# Allegro board MCU067B.brd (continued)
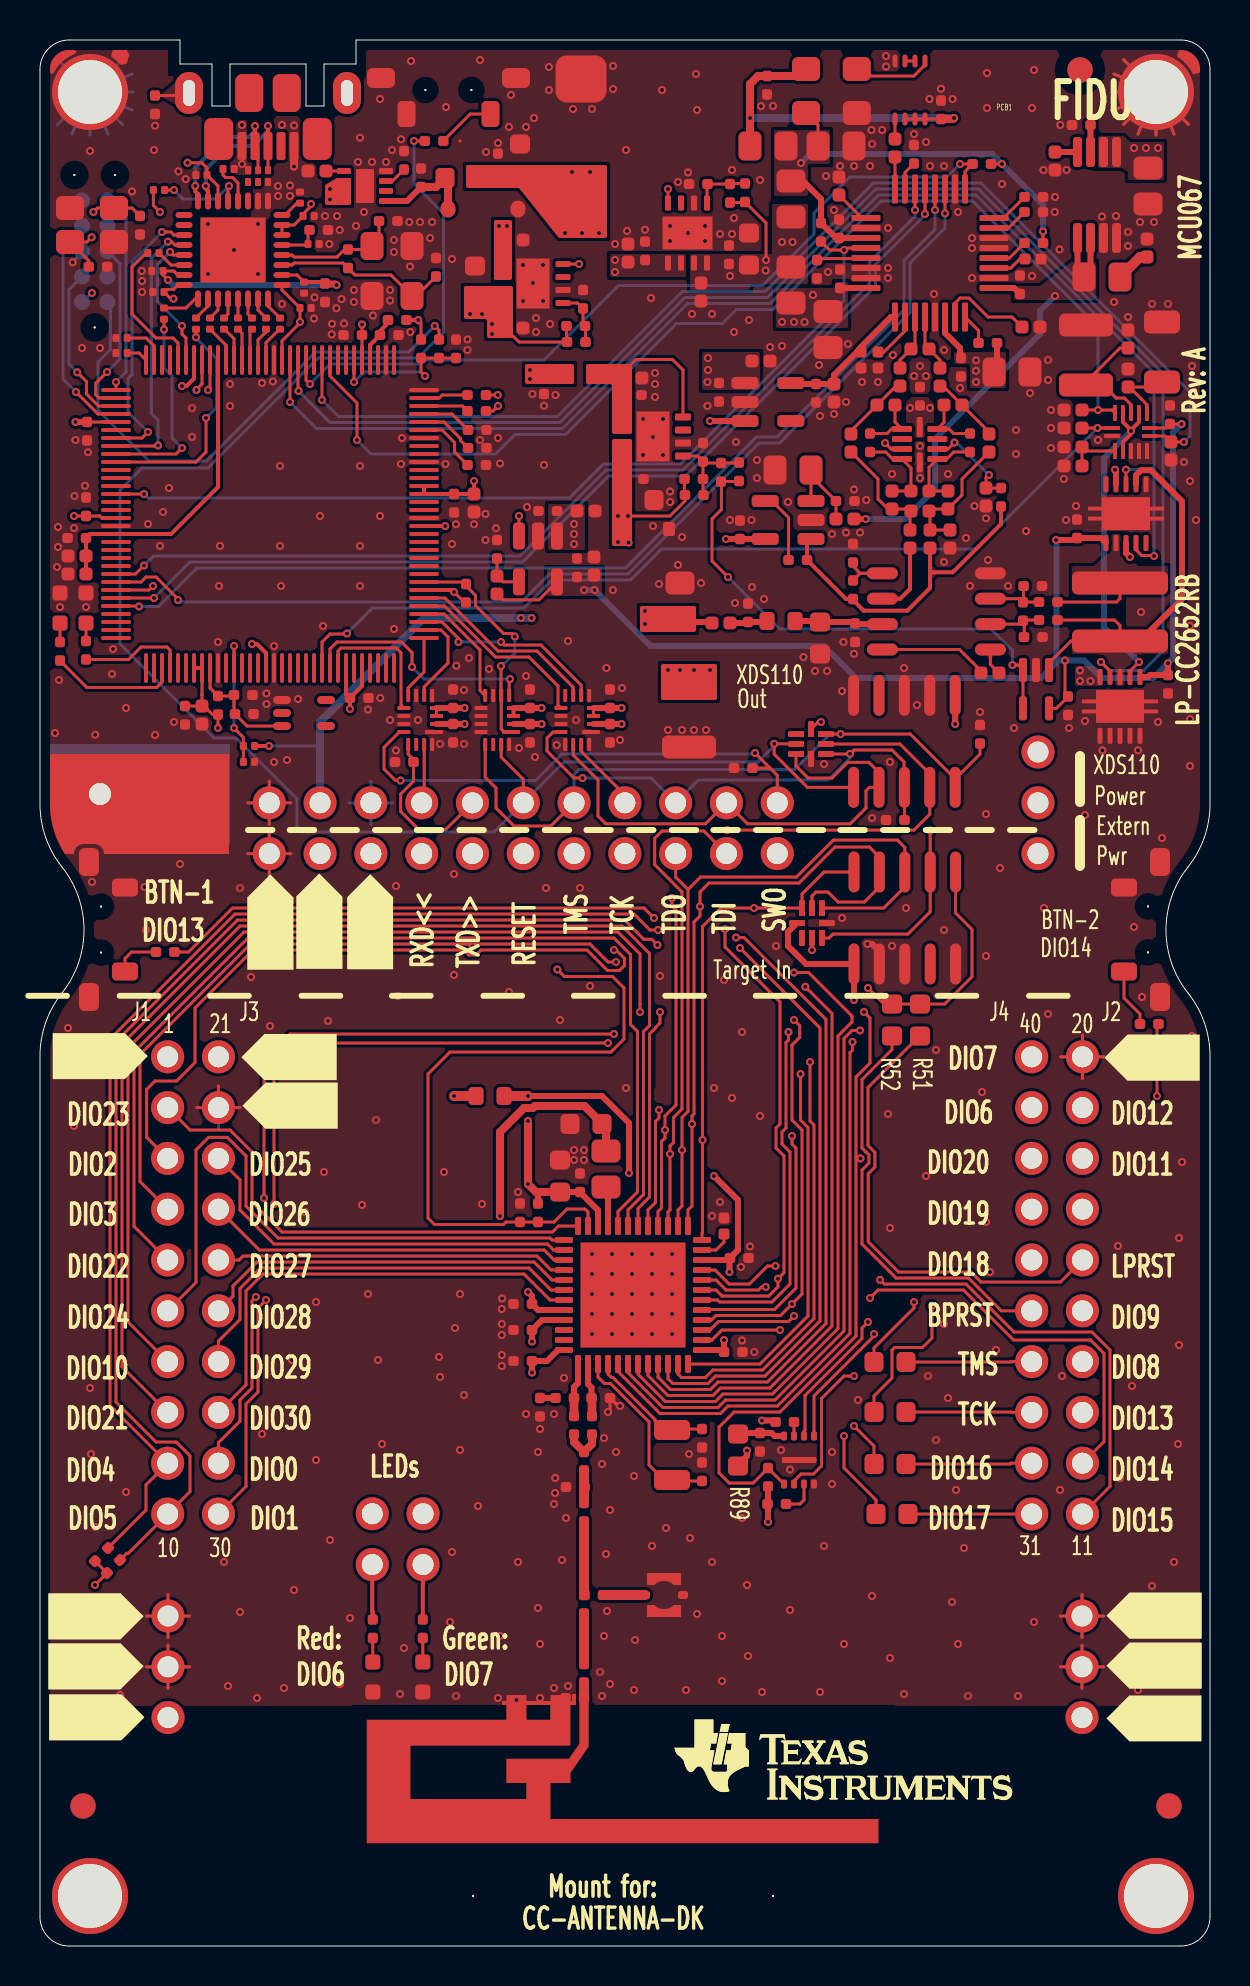
[diagram p0: board, top side]
## Routing (per net, layer and track width the routed paths; a pad name or vN(x,y) marks a point on that pad's centre or on a via; arc(x,y) is an arc through that point) (continued)
  L3 w0.5: 16.7,43.2 16.54,43.36 P4.18 ; 16.7,43.2 18.19,43.2 18.89,42.5 v1(20.7,42.5) 25.5,47.3 v1(40.7,47.3) 46.1,47.3 ; 16.7,43.2 7.64,43.2 J1.1 1.9,39.98 1.9,18.9 v1(2.75,18.05) ; 46.1,47.3 48.5,49.7 48.5,53.22 P10.3 ; 46.1,47.3 51.9,47.3 57.75,41.45 57.75,17.07 P1.1
XDS_RESET: length 11.5
  TOP w0.15: U5.40 21.2,68.2 R58.1 21.3,68.01 21.78,67.53 21.78,67.02 23.17,65.63 23.59,65.63 v1(23.74,65.48) ; U10.1 23.21,60.7 23.06,60.85 U10.6 23.05,62.54 v1(23.05,64)
  BOTTOM w0.15: v1(23.05,64) 23.1,64 23.74,64.64 v1(23.74,65.48)
XDS_RESET_LS: length 86.8
  TOP w0.15: R57.2 v1(18.7,90.25) ; P4.11 24.16,58.34 23.06,59.44 U10.15 ; 40.68,57.93 38.37,57.93 36.71,59.59 v1(36.71,60.11) 37.79,60.11 CR7.2
  BOTTOM w0.15: v1(18.7,90.25) 18.7,88.1 20.18,86.62 20.18,80.68 18.9,79.4 13.9,79.4 8.4,73.9 5.1,73.9 4,72.8 4,65.1 8.7,60.4 9.8,60.4 12.84,57.36 12.84,55.96 13.1,55.7 22.7,55.7 P4.11 26.2,59.2 35.9,59.2 36.71,60 v1(36.71,60.11)
XDS_RX: length 3.2
  TOP w0.15: U5.33 19.2,63.7 18.41,62.91 U8.8
XDS_RX_LS: length 8.2
  TOP w0.15: P4.13 20.29,55.83 18.93,55.83 18.03,56.73 18.03,57.6 18.67,58.24 R61.2 18.67,59.33 18.41,59.59 U8.13
XDS_SWO: length 7
  TOP w0.15: U8.9 18.05,62.05 18.05,64.66 17.81,64.9 15.05,64.9 14.9,64.75 U5.25
XDS_SWO_LS: length 25.6
  TOP w0.15: R62.2 36.5,58.9 ; 36.5,58.9 v1(35.75,59.65) ; 36.5,58.9 36.86,58.54 P4.1 ; U8.12 17.97,60.7 17.2,59.93 17.2,58.85 17.78,58.27 v1(18.03,58.27)
  BOTTOM w0.15: v1(35.75,59.65) 35.7,59.6 26.1,59.6 24.78,58.27 v1(18.03,58.27)
XDS_TCK: length 9.8
  TOP w0.15: U9.6 27.06,63.04 25.05,65.05 23.2,65.05 v1(23.05,65.2) ; v1(20.92,65.2) 20.92,65.38 20.1,66.2 U5.35
  BOTTOM w0.15: v1(20.92,65.2) v1(23.05,65.2)
XDS_TCK_LS: length 27.8
  TOP w0.15: U9.15 27.06,59.73 29.24,57.55 P4.7 ; v1(34.35,55.79) 43.7,55.79 44.49,56.59 P7.4 44.49,58.61 43,60.1 CR7.6
  L3 w0.15: P4.7 30.61,55.79 v1(34.35,55.79)
XDS_TDI: length 9.7
  TOP w0.15: U5.38 20.25,67.4 22.9,64.75 24.85,64.75 26.66,62.94 U9.7
XDS_TDI_LS: length 26.7
  TOP w0.15: CR7.3 37.8,59 38.4,58.4 39.6,58.4 40.38,59.18 41.45,59.18 41.95,58.68 P7.8 41.47,57.93 41.3,57.76 41.3,56.9 40.51,56.11 35.37,56.11 P4.3 33.27,56.11 28.29,56.11 27.9,56.5 27.9,58.3 27.62,58.57 26.66,59.54 U9.14
XDS_TDO: length 9.5
  TOP w0.15: 26.04,61.9 25.9,62.05 25.9,63 24.45,64.45 22.78,64.45 20.22,67 U5.37
XDS_TDO_LS: length 26
  TOP w0.15: v1(27.13,58.4) 26.7,58.4 25.35,59.75 25.35,60.39 25.66,60.7 26.04,60.7 ; CR7.5 40.49,59.6 v1(40.5,59.61) 40.51,59.61 40.7,59.8 42.6,59.8 43.2,59.2 43.2,57.95 P7.6 43.22,57.93 R63.2
  BOTTOM w0.15: v1(40.5,59.61) 40.5,59.4 39.4,58.3 32.92,58.3 P4.5 30.54,58.4 v1(27.13,58.4)
XDS_TMS: length 5.9
  TOP w0.15: U5.36 20.2,66.6 22,64.8 22,62.79 U10.8
XDS_TMS_DIR: length 12.1
  TOP w0.15: v1(18.6,63.95) 18.6,64.68 18.07,65.2 14.85,65.2 14.5,64.85 U5.24 ; v1(23.5,63.35) 23.46,63.31 U10.5
  BOTTOM w0.15: v1(23.5,63.35) 19.2,63.35 v1(18.6,63.95)
XDS_TMS_LS: length 33.8
  TOP w0.15: 45.76,58.35 47,59.6 R65.2 ; 45.76,58.35 P7.2 ; 45.76,58.35 43.51,60.6 v1(40.03,60.6) CR7.7 ; U10.13 22.26,58.44 22.8,57.9 22.8,56.9 23.7,56 25.54,56 P4.9
  BOTTOM w0.15: P4.9 26.7,58.57 26.95,58.82 37.72,58.82 39.5,60.6 v1(40.03,60.6)
XDS_TX: length 4.8
  TOP w0.15: U8.6 19.21,62.96 20.4,64.15 20.4,65.45 20.05,65.8 U5.34
XDS_TX_LS: length 3
  TOP w0.15: P4.15 19.21,57.29 U8.15
XDS_VDD: length 53
  TOP w0.15: U8.3 U8.4 ; U5.79 12.1,80.25 13,81.15 v1(13,81.2) C6.1 12.1,82.8 U15.25 ; v1(6,86.7) 5.67,87.03 R83.1 ; C49.1 23.95,80.2 C47.1 26.33,80.22 R33.2 ; R58.2 21.23,67.18 v1(20.7,67.7) ; v1(5.65,68) 5.45,67.8 U5.122 ; U15.16 6.9,83.05 6.68,82.83 6.33,82.83 C78.1 6.54,82.36 v1(6.67,82.36) ; v1(16.1,81.08) C38.1 U5.69 ; v1(22.9,77) 22.65,76.75 R27.1 ; v1(8.9,60.9) R18.2 8.62,61.58 8.2,62 C42.1 ; U15.30 U15.31 12.7,86.05 C79.1 13.15,86.6 13.55,87 v1(13.55,87.1) ; U5.101 C4.1 ; U9.3 U9.4 ; U5.8 8.1,62.56 C42.1 ; C42.1 C2.1 ; v1(7.38,89.16) 8.09,89.16 8.35,88.9 C80.1 8.9,88 U15.6 ; R17.2 19.05,81.16 v1(18.91,81.3) ; R39.1 v1(22.89,77.55) ; v1(1.7,71.5) C3.1 2.99,71.5 3.09,71.4 U5.113
  TOP w0.2: U5.7 U5.8 ; v1(21.7,73.25) C40.1 C71.1 U5.51 U5.52 ; U5.47 v1(20.26,71) ; U5.16 11.3,64.65 10.85,65.1 v1(10.6,65.1) ; U5.28 16.1,63 C7.1 ; U5.39 20.6,67.8 v1(20.7,67.7) ; U5.90 7.7,78.38 7.32,78 v1(7.1,78) ; R31.2 v1(18.91,81.3) ; U5.26 15.3,62.6 C7.1 ; C7.1 v1(15.5,61.85) ; U10.4 U10.3
  TOP w0.3: v1(21.23,61.9) C73.1 U8.4 ; U10.4 C39.1 v1(25.08,61.9) ; v1(29.08,61.9) C75.1 U9.4 ; C4.1 v1(1.77,76.2)
  BOTTOM w0.15: v1(2.6,82.65) P8.1
  vias: v1(21.5,81.6) v1(22.1,81.6) v1(22.6,81.1) v1(22.6,80.6)
N1013851: length 2.7
  TOP w0.3: U1.2 27.4,28.1 27.58,27.92 C21.2 27.6,27.38
  TOP w0.43: L21.1 27.6,27.38
N1013859: length 2.7
  TOP w0.3: U1.1 26.9,28.15 26.7,27.95 L11.1
  TOP w0.43: C11.1 L11.1
N1013883: length 0.8
  TOP w0.3: C31.1 L11.2
N1013899: length 2.1
  TOP w0.4: C11.2 26.7,25.2 L12.1 27.6,25.1 L21.2
N1013927: length 1.6
  TOP w0.5: L13.1 27.2,22.93 C13.2 27.2,22.97 L12.2
N1013977: length 0.8
  TOP w0.5: C15.1 C12.2
N1014081: length 1.7
  TOP w0.15: C19.1 34.2,35.2 33.8,34.8 U1.23
N1014101: length 9.3
  TOP w0.15: C17.1 31.65,23.25 Y1.1 31.2,23.3 30.45,24.05 30.45,26.2 28.53,28.12 28.22,28.12 27.9,28.45 U1.3
N1014113: length 6.4
  TOP w0.15: U1.4 28.4,28.6 28.57,28.43 28.65,28.43 30.75,26.33 30.75,26.25 31.2,25.8 Y1.2 31.65,25.85 C18.1
N1014125: length 3.7
  TOP w0.5: C14.1 L13.2
N1017630: length 2.4
  TOP w0.3: R89.1 34.95,25.65 C30.1 36.58,25.65 36.73,25.5 U4.8
N1105722: length 1.2
  TOP w0.15: CR1.2 R15.1
N1105771: length 1.2
  TOP w0.15: CR2.2 R14.1
N1105824: length 2.8
  TOP w0.2: R14.2 16.64,16.7 16.61,16.73 P6.1
N1106228: length 2.8
  TOP w0.2: P6.3 19.15,18.12 19.14,18.11 R15.2
N1176544: length 6.3
  TOP w0.15: J2.13 48.56,29.22 48.53,29.2 R46.1
N1176548: length 6.3
  TOP w0.15: J2.15 48.56,26.68 48.53,26.7 R47.1
N1176568: length 6.3
  TOP w0.15: R48.1 48.51,24.1 48.56,24.14 J2.17
N1177007: length 6.2
  TOP w0.15: R49.1 J2.19
N1288065: length 3
  TOP w0.15: SW2.3 54.2,47.4 55,46.6 R55.1
N1288098: length 2.3
  TOP w0.15: SW1.4 4.25,49.38 4.57,49.7 R56.1
N1409884: length 1.8
  TOP w0.15: R59.1 38,22.1 38.2,22.3 U4.3
N1409917: length 0.7
  TOP w0.15: U4.7 R60.1
N1429173: length 2.1
  TOP w0.5: C24.1 P11.1
N1992877: length 2.5
  TOP w0.5: C14.2 C12.1
N2913353: length 2.9
  TOP w0.15: R57.1 21.51,91.6 SW3.3
N2989040: length 2.2
  TOP w0.15: R90.2 5.31,80.4 5.7,80.01 U5.95
N2989108: length 1.1
  TOP w0.15: R91.2 4.95,79.65 U5.96
N2989302: length 6.5
  TOP w0.15: R23.2 1,64.26 2.34,62.92 5.84,62.92 6.03,63.12 6.1,63.19 U5.3
N2989344: length 5.4
  TOP w0.15: U5.4 6.5,64.8 6.35,64.95 5.05,64.95 4.43,64.33 R25.2
N2989548: length 0.9
  TOP w0.15: CR5.2 R25.1
N2989552: length 0.9
  TOP w0.15: CR4.2 R23.1
N2990008: length 6.2
  TOP w0.15: C89.1 16.95,85.35 Y4.1 16.42,84.82 R87.2 15.22,84.82 14.85,84.45 12.7,84.45 12.6,84.55 U15.28
N2990096: length 8.8
  TOP w0.15: U15.27 12.6,84.05 12.7,84.15 15.15,84.15 R87.1 15.75,83.55 17.55,83.55 Y4.3 18.82,82.5 C88.2
N2990274: length 4.4
  TOP w0.15: R83.2 v1(6.7,87.8) ; U15.5 9.4,87.9 9.45,87.95 v1(9.45,88)
  BOTTOM w0.15: v1(9.45,88) 8.8,87.35 7.15,87.35 v1(6.7,87.8)
N2990440: length 2.2
  TOP w0.15: R39.2 20.11,77.55 19.96,77.4 U5.63
N2990548: length 1.1
  TOP w0.15: R84.2 12.84,87.14 12.25,86.55 U15.32
N2990572: length 2.3
  TOP w0.15: U5.62 21.13,77 R27.2
N2990660: length 2.5
  TOP w0.15: R29.1 20.6,76.6 U5.61
N2990800: length 2.8
  TOP w0.15: R30.1 21.03,75.27 21.03,75.38 20.2,76.2 U5.60
N2991220: length 2.4
  TOP w0.2: U5.68 16.5,80.05 17,80.55 C46.1 17,80.75 17.4,81.15 R31.1
N2991228: length 1.2
  TOP w0.15: U15.24 11.4,82 R140.1
N2991280: length 1.5
  TOP w0.15: R148.1 6.55,84.05 U15.14
N2991288: length 1.1
  TOP w0.15: U15.23 10.9,81.8 R141.1
N2991340: length 1
  TOP w0.15: R142.1 10.4,81.6 U15.22
N2991380: length 1
  TOP w0.15: R143.1 U15.21
N2991412: length 1
  TOP w0.15: U15.20 9.4,81.6 R144.1
N2991444: length 1.8
  TOP w0.15: R32.2 7.32,92.52 J6.M1
N2991472: length 1.1
  TOP w0.15: U15.19 8.9,81.8 R145.1
N2991544: length 1.2
  TOP w0.15: R146.1 8.4,82 U15.18
N2991624: length 1.9
  TOP w0.15: U15.17 7.75,82.35 7.3,81.9 R147.1
N2992020: length 7.7
  TOP w0.15: R21.1 R20.1 R17.1 19.05,78.7 v1(19.25,78.5) ; v1(15.7,78.2) U5.70
  BOTTOM w0.15: v1(19.25,78.5) 19.05,78.7 16.2,78.7 v1(15.7,78.2)
N2992062: length 6
  TOP w0.15: U6.3 10.35,61 C50.1 9.7,61.65 C8.1 9.65,62.5 R18.1 8.5,62.9 U5.9
N2992488: length 2.8
  TOP w0.15: C47.2 27.27,80.98 R33.1 27.15,81.1 R34.2 26.88,82.15 U7.5
N2992530: length 15.4
  TOP w0.15: C9.1 4.6,86.9 Y3.1 2.87,86.9 v1(2.67,86.7) ; v1(8.4,77.8) 8.5,77.9 U5.88
  L3 w0.15: v1(2.67,86.7) 4.2,85.17 4.2,82.2 8.4,78 v1(8.4,77.8)
N2992582: length 14.2
  TOP w0.15: C1.1 2.44,84.26 Y3.3 2.35,85.2 v1(2.58,85.44) ; U5.89 8.1,78.1 7.82,77.83 v1(7.82,77.8)
  L3 w0.15: v1(2.58,85.44) 3.9,84.12 3.9,82.07 7.82,78.15 v1(7.82,77.8)
N2992754: length 3.2
  TOP w0.15: U5.59 20.1,75.8 20.72,75.18 20.72,74.7 R28.2
N3002527: length 5.9
  TOP w0.15: 29.1,78.6 29.1,78.62 29.8,79.32 31.62,79.32 32.15,78.8 U46.8
N3002727: length 2.8
  TOP w0.15: C153.2 34.52,88.12 R132.1 R133.2 33.35,88.08 U42.5
N3002875: length 4.6
  TOP w0.15: C172.2 33.15,72.57 R151.1 R152.2 ; R138.2 34.93,74.15 C169.1 33.23,74.15 R152.2 ; R152.2 32.88,74.5 U46.5
N3003199: length 1.9
  TOP w0.15: FL4.2 36.3,66.2
  TOP w0.3: R354.1 35.35,66.15 C166.1 36.3,66.2
N3003651: length 2.1
  TOP w0.15: U44.4 23.14,68.21 R134.1 R135.2
N3019115: length 18.9
  TOP w0.15: U34.6 U34.7 U34.8 C118.1
  TOP w0.4: C118.1 45.65,91.35 v1(45.7,91.4) ; Y5.4 37.95,93.5 C115.1 35.9,93.5 35.5,93.1 v1(35.5,91.4) L332.2
  BOTTOM w0.4: v1(35.5,91.4) v1(45.7,91.4)
N3019409: length 4
  TOP w0.15: R107.2 54,67.37 53.83,67.2 R99.2
N3019429: length 4
  TOP w0.15: Y5.3 41.2,93.85 41.55,93.5 43.69,93.5 44.25,94.06 U34.1
N3019469: length 0.5
  TOP w0.15: U34.3 U34.2
N3019477: length 1
  TOP w0.15: U34.5 R94.2
N3019481: length 1.6
  TOP w0.15: U35.24 R94.1
N3019505: length 19.6
  TOP w0.15: U45.1 50.45,64.15 51.55,65.25 R107.1 54,66.03 53.73,66.3 R108.2
  TOP w0.3: U33.7 54.8,73.54 55.05,73.79 55.55,73.79 57.1,72.24 57.1,67.35 55.2,65.45 55.2,65.25
N3019673: length 5.8
  TOP w0.15: R101.1 43.5,71.7 C129.1 43.45,71.85 R102.2 42.4,71.85 41.9,72.35 41.9,73.35 R95.2
N3019681: length 3.5
  TOP w0.15: R95.1 40.55,75.75 R103.1 42.8,78 R104.2
N3019921: length 4.5
  TOP w0.15: R102.1 C130.1 43.55,73.9 U37.4 42.63,74.35 42.28,74.7 C123.1
N3019929: length 3
  TOP w0.15: C123.2 42.36,75.62 42.58,75.85 U37.1 42.75,76.2 R103.2
N3020133: length 2.5
  TOP w0.15: U35.29 41.27,84.37 38.92,84.37 R97.1
N3020245: length 3.3
  TOP w0.15: R99.1 49.19,67.2 49.18,67.21 ; C124.2 49.18,67.21 ; 49.18,67.21 C132.1 48.97,67.37 U36.3
N3020305: length 1.6
  TOP w0.15: U35.8 46.93,80.77 R98.2
N3020361: length 1.4
  TOP w0.15: R137.2 47.52,64.08 U36.1
N3020365: length 5.5
  TOP w0.15: U36.8 45.98,64.82 46.22,64.58 47.05,63.75 R137.1
N3020493: length 3.6
  TOP w0.2: R101.2 43.5,67.85 43.01,67.37 U36.6
N3020545: length 2.9
  TOP w0.15: U35.3 43.75,80.05 C131.1 43,79.3 R104.1
N3020557: length 1.5
  TOP w0.15: U35.23 43.25,88.68 R105.2
N3020617: length 3.4
  TOP w0.15: C132.2 48.98,66.1 47.52,66.1 ; C132.2 49.21,66.2 49.21,65.46 C134.1 ; C132.2 49.19,66.3 R108.1
N3020629: length 4.8
  TOP w0.15: R111.1 C133.1 47.3,73.4 v1(47.45,73.55) ; U37.7 45.4,74.85 v1(45.72,75.18)
  BOTTOM w0.15: v1(45.72,75.18) 45.82,75.18 v1(47.45,73.55)
N3020645: length 2.9
  TOP w0.15: R113.1 45,79.3 C131.2 44.25,80.05 U35.4
N3020673: length 2.3
  TOP w0.15: 41.01,68.63 R100.2 ; 41.01,68.63 U36.5 ; 41.01,68.63 40.65,69 R106.2
N3020713: length 4.5
  TOP w0.15: R110.1 C130.2 44.45,73.93 U37.6 45.34,74.35 45.69,74.7 C135.1
N3020721: length 3.1
  TOP w0.15: C135.2 45.68,75.62 45.45,75.85 U37.9 45.2,76.18 R112.2
N3020773: length 2.5
  TOP w0.15: C136.1 42.19,79.7 43.25,80.76 U35.2
N3020845: length 6.7
  TOP w0.15: R115.1 R109.1 44.5,71.7 C129.2 44.55,71.85 R110.2 46.1,72.55 46.1,73.35 R120.2
N3020925: length 1.7
  TOP w0.15: C137.1 49,84.35 48.54,83.9 U35.11
N3021053: length 3.5
  TOP w0.15: R113.2 45.15,78 R112.1 47.45,75.7 R120.1
N3021073: length 1.8
  TOP w0.15: U35.25 41.1,86.4 C138.1
N3021173: length 4.8
  TOP w0.15: R116.2 48.6,81.45 47.4,81.45 46.45,82.4 46.01,82.4 45.75,82.14 U35.7
N3021345: length 2
  TOP w0.15: R117.2 48.18,86.4 U35.16
N3021377: length 1.9
  TOP w0.15: U35.15 48.43,85.9 R118.2
N3021465: length 1.8
  TOP w0.15: R119.2 48.48,84.4 U35.12
N3021635: length 17.1
  TOP w0.15: U38.2 54.5,63.75 v1(54.95,64.2) ; 54.53,75.77 v1(54.55,75.75)
  TOP w0.2: U39.9 54.15,75.2 54.53,75.58 54.53,75.85 54.5,75.85 54.15,76.2 U39.4 ; v1(54.55,75.75) 54.55,75.8 54.95,76.2 U39.2
  BOTTOM w0.3: v1(54.95,64.2) 53.2,65.95 53.2,74.4 v1(54.55,75.75)
N3022077: length 3.5
  TOP w0.15: R123.2 55.85,77.95 54.47,77.95 ; 54.47,77.95 C143.1 ; 54.47,77.95 55.35,77.07 U39.1
N3022153: length 1.4
  TOP w0.3: R136.2 52.53,91.05 U40.3
N3022165: length 4.2
  TOP w0.15: U41.3 38.55,73.5 ; 38.55,73.5 C147.1 ; 38.55,73.5 R126.1 R121.2
N3022241: length 1.1
  TOP w0.3: U40.4 C145.1
N3022249: length 1.8
  TOP w0.5: C146.2 55,84.45 R122.2
N3022293: length 6
  TOP w0.15: C144.1 54,79.9 52.3,78.2 R125.2 52.65,77.7 53.5,77.7 53.8,77.4 54.22,77.4 54.55,77.07 U39.3
N3022413: length 3.6
  TOP w0.15: U41.4 36.6,72.25 37.43,71.42 R131.2
N3022507: length 2.7
  TOP w0.15: R130.1 C149.1 52.3,74.75 U39.8
N3051433: length 5
  TOP w0.3: U47.5 18.35,87.25 C109.1
  TOP w0.4: CR15.1 20.4,88.25 FL2.2 19.8,87.95 C109.1
N3051465: length 0.9
  TOP w0.15: C108.1 U47.1
N3051473: length 1.1
  TOP w0.15: U47.7 17.62,88.25 R353.2
N299023019: length 2.1
  TOP w0.15: U15.4 9.9,88.15 9.63,88.43 9.27,88.43 9.15,88.55 R82.1

## Copper pours and planes (outline as drawn; the poured copper is in the pictures)
5V0 on TOP: 33.1,79.7 33.1,77.8 36,77.8 36,79.7
5V0 on TOP: 27.25,72.1 25.4,72.1 25.4,69.8 27.25,69.8
5V0 on TOP: 28.5,84.6 28.5,83.45 32.3,83.45 32.3,84.6
5V0 on L3: 22.6,94.7 22.6,83.35 23.7,83.35 23.7,65.8 30.6,65.8 30.6,69.4 28.05,69.4 28.05,72.35 33.8,72.4 33.8,76 33.72,94.7
GND on TOP (solid shape): 26.8,12.05 23.1,12.05 23.1,12.25 26.6,12.25 26.6,12.6 26.8,12.6
GND on TOP (solid shape): 9.45,59.6 9.45,54.6 3.2,54.6 3.07,54.94 2.75,55.1 2.15,55.1 1.83,54.94 1.7,54.6 1.25,54.6 0.69,55.79 0.5,57.1 0.5,59.6
GND on BOTTOM (solid shape): 9.5,55.1 1,55.1 0.7,56.1 0.5,57.3 0.5,60.1 9.5,60.1
GND on TOP: 0.5,90.1 0.5,93.84 0.78,94.52 1.46,94.8 6.4,94.8 6.4,93.5 6.6,93.5 6.6,90.1
GND on TOP, BOTTOM: 53.3,90.2 53.3,94.8 57.04,94.8 57.72,94.52 58,93.84 58,90.2
GND on BOTTOM: 16.3,94.8 57.04,94.8 57.72,94.52 58,93.84 58,57.1 57.74,55.6 57.01,54.26 55.8,50.8 57.01,47.34 57.74,46 58,44.5 58,12.1 0.5,12.1 0.5,44.5 0.76,46 1.49,47.34 2.7,50.8 1.49,54.26 0.76,55.6 0.5,57.1 0.5,93.84 0.78,94.52 1.46,94.8 6.5,94.8 6.5,93.6 8.1,93.6 8.1,91.5 10.1,91.5 10.1,93.6 12.7,93.6 12.7,91.5 14.7,91.5 14.7,93.6 16.3,93.6 ; 7 cut-outs
GND on BOTTOM: 0.5,90.3 0.5,93.84 0.78,94.52 1.46,94.8 5.1,94.8 5.1,90.3
GND on L2: 0.5,12.1 0.5,44.5 0.76,46 1.49,47.34 2.7,50.8 1.49,54.26 0.97,55.09 0.64,56 0.66,56 0.6,56.3 0.5,57.3 0.5,93.84 0.78,94.52 1.46,94.8 6.5,94.8 6.5,93.6 8.1,93.6 8.1,91.5 10,91.5 10,93.6 12.8,93.6 12.8,91.5 14.7,91.5 14.7,93.6 16.3,93.6 16.3,94.8 57.04,94.8 57.72,94.52 58,93.84 58,93.6 58,57.3 58,57.1 57.9,56.3 57.84,56 57.86,56 57.53,55.08 57.01,54.26 55.8,50.8 57.01,47.34 57.74,46 58,44.5 58,12.1 ; 3 cut-outs
(no net) on TOP: 14.25,87.05 15.55,87.05 15.55,88.4 14.85,88.4 14.25,88.05
(no net) on TOP: 24.25,79.1 24.25,78.1 26.7,78.1 26.7,79.1
(no net) on TOP: 31.05,64.1 31.05,62.3 33.85,62.3 33.85,64.1
(no net) on TOP: 21.3,89.05 21.3,87.9 23.95,87.9 25.95,85.4 28.35,85.4 28.35,89.05
(no net) on TOP: 30,67 30,65.7 32.8,65.7 32.8,67
(no net) on TOP: 22.7,86.3 22.7,83.3 23.6,83.3 23.6,86.3
(no net) on TOP: 0.5,12 0.5,44.5 0.76,46 1.49,47.34 2.7,50.8 1.49,54.26 0.76,55.6 0.5,57.1 0.5,93.84 0.78,94.52 1.46,94.8 6.4,94.8 6.4,93.5 8.1,93.5 8.1,91.5 14.7,91.5 14.7,93.5 16.3,93.5 16.3,94.8 57.04,94.8 57.72,94.52 58,93.84 58,57.1 57.74,55.6 57.01,54.26 55.8,50.8 57.01,47.34 57.74,46 58,44.5 58,12 ; 42 cut-outs
(no net) on TOP: 28.6,75.35 28.6,70 29.6,70 29.6,75.35
(no net) on TOP: 27.3,79.1 27.3,78.1 28.6,78.1 28.6,75.6 29.6,75.6 29.6,79.1
(no net) on TOP: 21.2,83 21.2,81.35 22.35,81.35 22.35,80.4 23.65,80.4 23.65,83
(no net) on L3: 9.8,91.35 9.8,88.3 13.8,88.3 14.2,87.9 14.2,87 14.8,87 14.8,89.6 10.45,89.6 10.45,91.35
ET_3V3 on TOP: 52.8,90.5 52.8,88.9 54.1,88.9 54.4,88.7 54.4,88.3 56.2,88.3 56.2,90.2 54.5,90.2 54.2,90.5
ET_3V3 on TOP: 43.59,77.45 43.3,77.19 43.3,75.4 44.7,75.4 44.7,77.1 44.38,77.45
ET_3V3 on TOP: 32.5,84.6 32.5,82.8 35.5,82.8 35.5,83.1 38.4,83.1 38.4,87.1 36.6,87.1 36.6,84.6
ET_3V3 on L3: 34.05,94.8 57.04,94.8 57.72,94.52 58,93.84 58,65.55 34.05,65.55 ; 1 cut-out
ET_AVDD on TOP: 48.3,77.9 48.3,79.7 45.7,79.7 45.7,79.1 46.5,79.1 46.5,77.9
ET_AVDD on TOP: 36.8,82.9 36.8,80.9 40.4,80.9 40.4,83.2 39.75,83.2 39.75,82.9
ET_AVDD on L3: 36.8,82.8 36.8,77.8 48.4,77.8 48.4,82.8
ET_DVDD on TOP: 36.7,90.8 36.7,87.5 38.4,87.5 38.4,89.1 39.5,89.1 39.5,90.8
ET_VDD on L3: 28.5,71.75 28.5,69.75 31.1,69.75 31.1,62.25 47.25,62.25 47.25,58.6 51.1,58.6 51.1,65 33.75,65 33.75,71.75
ET_VREF on TOP: 52.8,84.2 52.8,82.3 48.7,82.3 48.7,83 50,83 51.57,84.2
LS_VDD on L3: 12.95,55.95 12.95,61.35 51.25,61.35 51.3,74.05 58.05,74.05 58.05,57.6 57.97,56.76 57.74,55.95
SW_VDD on TOP: 28.1,68.9 25.35,68.9 25.35,67.5 28.1,67.5
TARGET_VDD on TOP: 53.15,64 53.15,63 51.75,63 51.75,64
TARGET_VDD on BOTTOM: 15.3,55.7 15.3,61.6 17.7,64 56.9,64 56.9,58.6 18,58.6 17.9,58.5 17.9,55.7 ; 3 cut-outs
USB_VBUS on L3 (solid shape): 10.35,91.35 10.39,91.34 10.41,91.33 10.43,91.31 10.44,91.29 10.45,91.09 10.45,90.91 10.45,89.7 10.46,89.66 10.47,89.64 10.49,89.62 10.51,89.61 10.55,89.6 14.7,89.6 14.74,89.59 14.76,89.58 14.78,89.56 14.79,89.54 14.8,89.5 14.8,87.1 14.79,87.06 14.78,87.04 14.76,87.02 14.74,87.01 14.7,87 14.3,87 14.26,87.01 14.24,87.02 14.22,87.04 14.21,87.06 14.2,87.1 14.2,87.86 14.19,87.9 14.17,87.93 13.83,88.27 13.8,88.29 13.76,88.3 12.65,88.3 12.61,88.32 12.57,88.33 12.52,88.34 12.48,88.34 12.43,88.33 12.39,88.32 12.35,88.3 11.99,88.3 11.81,88.3 9.9,88.3 9.86,88.31 9.84,88.32 9.82,88.34 9.81,88.36 9.8,88.4 9.8,88.97 12.39,88.97 12.39,88.92 12.4,88.87 12.42,88.83 12.45,88.79 12.48,88.75 12.52,88.72 12.57,88.69 12.61,88.67 12.66,88.66 12.71,88.66 12.76,88.67 12.81,88.68 12.86,88.7 12.9,88.73 12.93,88.77 12.96,88.81 12.99,88.85 13,88.9 13.01,88.95 13.01,89 13,89.05 12.99,89.1 12.96,89.14 12.93,89.18 12.9,89.22 12.86,89.24 12.81,89.27 12.76,89.28 12.71,89.29 12.66,89.28 12.61,89.27 12.57,89.26 12.52,89.23 12.48,89.2 12.45,89.16 12.42,89.12 12.4,89.07 12.39,89.02 12.39,88.97 9.8,88.97 9.8,91.25 9.81,91.29 9.82,91.31 9.84,91.33 9.86,91.34 9.9,91.35
USB_VBUS on TOP: 9.5,88.55 10.6,88.55 10.6,89.2 10.35,89.2 10.35,91.3 9.5,91.3
USB_VBUS on L3: 9.8,91.35 9.8,88.3 13.8,88.3 14.2,87.9 14.2,87 14.8,87 14.8,89.6 10.45,89.6 10.45,91.35
XDS_VDD on L3: 3.7,94.8 6.5,94.8 6.5,91.35 16.45,91.35 16.45,94.7 22,94.7 22,82.8 23.05,82.8 23.1,63.5 29.3,63.51 29.3,61.6 12.45,61.6 12.45,55.55 1.04,55.55 0.67,56.55 0.55,57.6 0.55,92.61
N1013977 on TOP (solid shape): 24.32,11.31 25.52,11.31 25.52,12.05 26.52,12.05 26.52,10.02 18.52,10.02 18.52,7.35 24.32,7.35 24.32,8.15 23.32,8.15 23.32,9.36 26.45,9.36 26.97,10.12 26.97,12.05 27.43,12.05 27.43,9.97 26.52,8.65 26.52,8.15 25.52,8.15 25.52,6.35 41.92,6.35 41.92,5.14 16.34,5.14 16.34,11.31 23.32,11.31 23.32,12.05 24.32,12.05
N2991444 on L2: 6.6,90.4 6.6,93.6 8.1,93.6 8.1,91.4 10,91.4 10,93.6 12.8,93.6 12.8,91.4 14.8,91.4 14.8,93.6 16.35,93.6 16.35,90.4 ; 1 cut-out
N3019409 on TOP: 56.4,67.75 51.6,67.75 51.6,69 52.7,69 53.5,69.75 53.5,70.6 54.1,70.6 54.1,69.75 54.9,69 56.4,69
N3019505 on TOP: 51.6,65.4 56.4,65.4 56.4,64.6 55.1,64.6 54.3,63.85 54.3,63 53.7,63 53.7,63.85 52.9,64.6 51.6,64.6
5V0 on TOP (solid shape): 23.5,86.3 23.57,86.27 23.6,86.2 23.6,83.4 23.57,83.33 23.5,83.3 22.8,83.3 22.73,83.33 22.7,83.4 22.7,86.2 22.73,86.27 22.8,86.3
5V0 on TOP (solid shape): 26.6,79.1 26.67,79.07 26.7,79 26.7,78.2 26.67,78.13 26.6,78.1 24.35,78.1 24.28,78.13 24.25,78.2 24.25,79 24.28,79.07 24.35,79.1
5V0 on TOP (solid shape): 32.7,67 32.77,66.97 32.8,66.9 32.8,65.8 32.77,65.73 32.7,65.7 30.1,65.7 30.03,65.73 30,65.8 30,66.9 30.03,66.97 30.1,67
5V0 on TOP (solid shape): 28.25,89.05 28.32,89.02 28.35,88.95 28.35,85.5 28.32,85.43 28.25,85.4 26,85.4 25.95,85.41 25.92,85.44 23.98,87.86 23.95,87.89 23.9,87.9 21.4,87.9 21.33,87.93 21.3,88 21.3,88.95 21.33,89.02 21.4,89.05
GND on TOP (solid shape): 57.04,94.8 57.72,94.52 58,93.84 58,93.74 57.98,93.68 57.92,93.64 57.73,93.6 57.67,93.6 57.62,93.65 57.31,94.09 56.91,94.43 56.87,94.48 56.86,94.54 56.92,94.73 56.95,94.78 57.01,94.8
GND on TOP (solid shape): 1.7,94.8 1.77,94.77 1.78,94.64 1.74,94.61 1.13,94.23 0.69,93.67 0.65,93.63 0.53,93.64 0.5,93.71 0.5,93.84 0.78,94.52 1.46,94.8
ET_VDD on TOP (solid shape): 29.5,75.35 29.57,75.32 29.6,75.25 29.6,70.1 29.57,70.03 29.5,70 28.7,70 28.63,70.03 28.6,70.1 28.6,75.25 28.63,75.32 28.7,75.35
ET_VDD on TOP (solid shape): 33.75,64.1 33.82,64.07 33.85,64 33.85,62.4 33.82,62.33 33.75,62.3 31.15,62.3 31.08,62.33 31.05,62.4 31.05,64 31.08,64.07 31.15,64.1
USB_VBUS on TOP (solid shape): 15.45,88.4 15.52,88.37 15.55,88.3 15.55,87.15 15.52,87.08 15.45,87.05 14.35,87.05 14.28,87.08 14.25,87.15 14.25,87.99 14.26,88.04 14.3,88.08 14.83,88.39 14.85,88.4 14.88,88.4
XDS_VDD on TOP (solid shape): 23.55,83 23.62,82.97 23.65,82.9 23.65,80.5 23.62,80.43 23.55,80.4 22.45,80.4 22.38,80.43 22.35,80.5 22.35,81.25 22.32,81.32 22.25,81.35 21.3,81.35 21.23,81.38 21.2,81.45 21.2,82.9 21.23,82.97 21.3,83
N3002527 on TOP (solid shape): 29.5,79.1 29.57,79.07 29.6,79 29.6,75.7 29.57,75.63 29.5,75.6 28.7,75.6 28.63,75.63 28.6,75.7 28.6,78 28.57,78.07 28.5,78.1 27.4,78.1 27.33,78.13 27.3,78.2 27.3,79 27.33,79.07 27.4,79.1

Small or netless copper shapes (teardrops, artwork), in the pictures only: 77 on TOP, 50 on BOTTOM, 3 on L3

## Text on the board
Ref Des/Silkscreen Bottom: J1 | 1 | 10 | 21 | 30 | J3 | J4 | 31 | 40 | 11 | 20 | J2 | DIO23 | DIO22 | DIO24 | DIO2 | DIO3 | DIO0 | DIO1 | DIO25 | DIO27 | DIO28 | DIO29 | DIO30 | DIO26 | DIO7 | DIO6 | DIO20 | DIO19 | DIO18 | BPRST | DIO9 | DIO8 | DIO12 | DIO11 | LPRST | DIO13 | DIO14 | DIO15 | DIO10 | DIO21 | DIO4 | DIO5 | TMS | TCK | DIO16 | DIO17
User.Comments: Milling tool 2.0 mm TYP | MCU067 Rev. A | RED | BOTTOM LAYER
Ref Des/Silkscreen Top: J1 | 10 | 1 | 21 | 30 | J3 | Target In | XDS110 | Out | J4 | 40 | 31 | DIO14 | BTN-2 | 20 | 11 | Power | Extern | Pwr | J2 | R89 | R52 | R51 | DIO23 | DIO22 | DIO24 | DIO2 | DIO3 | DIO13 | BTN-1 | DIO26 | DIO25 | DIO27 | DIO28 | DIO29 | DIO30 | DIO0 | DIO1 | Red: | DIO6 | LEDs | Green: | DIO7 | CC-ANTENNA-DK | Mount for: | DIO20 | DIO19 | DIO18 | BPRST | DIO12 | DIO11 | LPRST | DIO9 | DIO8 | DIO15 | DIO10 | DIO21 | DIO4 | DIO5 | DIO17 | DIO16 | TMS | TCK | RXD<< | TXD>> | RESET | TDO | TDI | SWO | LP-CC2652RB | MCU067 | Rev: A
XSECTION_CHART: L1: TOP CONDUCTOR - COPPER + PLATING 0.035 MM | *  DIELECTRIC - FR-4 0.175 MM (TOP PRIORITY) | L2: L2 PLANE - COPPER 0.035 MM | *  DIELECTRIC - FR-4 1.11 MM | L3: L3 PLANE - COPPER 0.035 MM | *  DIELECTRIC - FR-4 0.175 MM | L4: BOTTOM CONDUCTOR - COPPER + PLATING 0.035 MM | DESIGN CROSS SECTION CHART | ___________________________ | TOTAL THICKNESS 1.6 MM
DIMENSION: V. SCORE
User.27: FIGURE | FINISHED_SIZE | 0.2 | 0.201 | 1.05 | 1.1 | 3.2 | 0.899 | 1.0 | 1.3x0.6 | DRILL CHART: TOP to BOTTOM | ALL UNITS ARE IN MILLIMETERS | PLATED | NON-PLATED | QTY | 791 | 25 | 75 | 1 | 4 | 6 | 3 | 2 | 909 | TOTAL HOLES:
